# KiCad board output.Panel_R0.5.1_300x300_2layer_step1_Modified.kicad_pcb (continued)
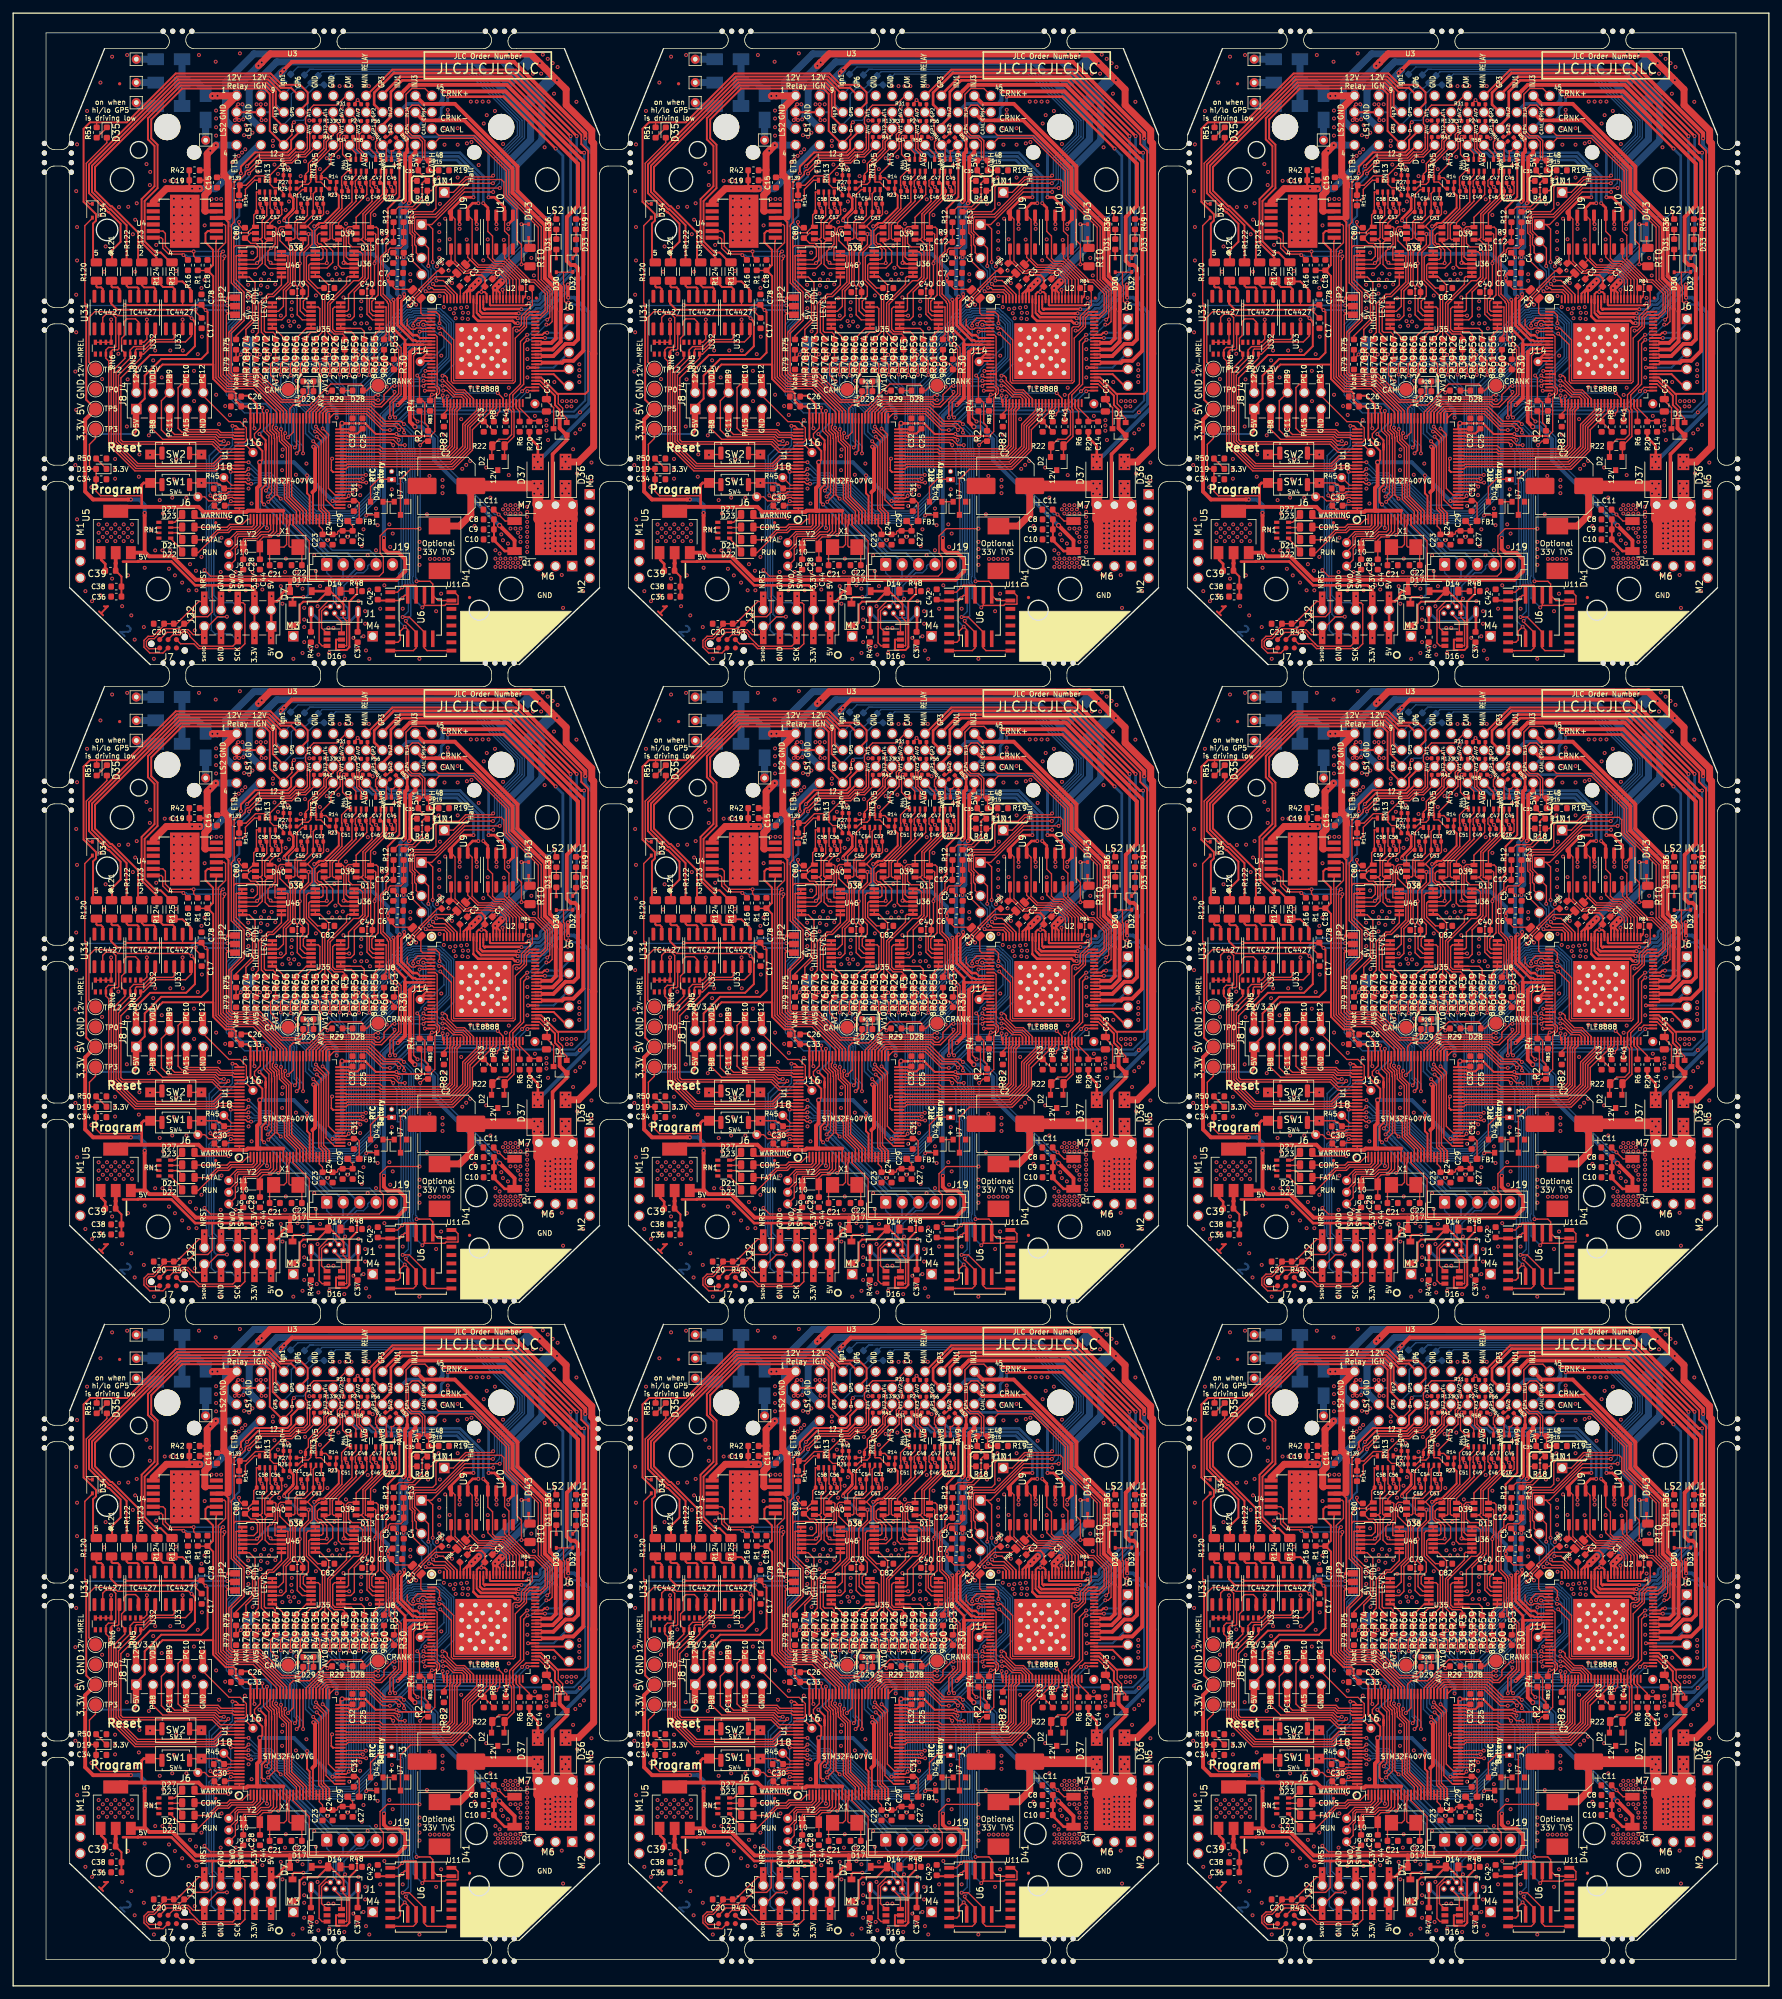
[diagram p0: board, top side]
## Routing (per net, layer and track width the routed paths; a pad name or vN(x,y) marks a point on that pad's centre or on a via; arc(x,y) is an arc through that point) (continued)
Net-(R32-Pad2): length 104.5
  Top w0.216: R32#2.2 132.4,256.9 132.98,257.48 132.98,258.65 131.7,259.93 U36#2.7 130.94,260.47 ; R32#3.2 217.4,256.9 217.98,257.48 217.98,258.65 216.7,259.93 U36#3.7 215.94,260.47 ; R32#4.2 47.4,159.9 47.98,160.48 47.98,161.65 46.7,162.93 U36#6.7 45.94,163.47 ; R32#6.2 132.4,159.9 132.98,160.48 132.98,161.65 131.7,162.93 U36#4.7 130.94,163.47 ; R32#5.2 217.4,159.9 217.98,160.48 217.98,161.65 216.7,162.93 U36#5.7 215.94,163.47 ; 215.94,66.47 U36#7.7 216.7,65.93 217.98,64.65 217.98,63.48 217.4,62.9 R32#7.2 ; 45.94,66.47 U36#9.7 46.7,65.93 47.98,64.65 47.98,63.48 47.4,62.9 R32#9.2 ; 130.94,66.47 U36#8.7 131.7,65.93 132.98,64.65 132.98,63.48 132.4,62.9 R32#8.2 ; 45.94,260.47 U36.7 46.7,259.93 47.98,258.65 47.98,257.48 47.4,256.9 R32.2
Net-(R35-Pad2): length 143.9
  Top w0.216: R35#2.2 132.03,251.52 132.03,256.9 129.59,259.35 129.59,262.89 129.88,263.18 U36#2.2 130.94,263.72 ; R35#3.2 217.03,251.52 217.03,256.9 214.59,259.35 214.59,262.89 214.88,263.18 U36#3.2 215.94,263.72 ; R35#4.2 47.03,154.52 47.03,159.9 44.59,162.35 44.59,165.89 44.88,166.18 U36#6.2 45.94,166.72 ; R35#6.2 132.03,154.52 132.03,159.9 129.59,162.35 129.59,165.89 129.88,166.18 U36#4.2 130.94,166.72 ; R35#5.2 217.03,154.52 217.03,159.9 214.59,162.35 214.59,165.89 214.88,166.18 U36#5.2 215.94,166.72 ; 215.94,69.72 U36#7.2 214.88,69.18 214.59,68.89 214.59,65.35 217.03,62.9 217.03,57.52 R35#7.2 ; 45.94,69.72 U36#9.2 44.88,69.18 44.59,68.89 44.59,65.35 47.03,62.9 47.03,57.52 R35#9.2 ; R35#8.2 132.03,57.52 132.03,62.9 129.59,65.35 129.59,68.89 129.88,69.18 U36#8.2 130.94,69.72 ; 45.94,263.72 U36.2 44.88,263.18 44.59,262.89 44.59,259.35 47.03,256.9 47.03,251.52 R35.2
Net-(R53-Pad2): length 60.2
  Top w0.216: R53#2.2 141.4,250.82 141.72,251.14 141.72,255.28 141.69,255.31 U8#2.6 U8#2.7 ; U8#3.7 U8#3.6 226.69,255.31 226.72,255.28 226.72,251.14 226.4,250.82 R53#3.2 ; R53#4.2 56.4,153.82 56.72,154.14 56.72,158.28 56.69,158.31 U8#6.6 U8#6.7 ; U8#5.7 U8#5.6 141.69,158.31 141.72,158.28 141.72,154.14 141.4,153.82 R53#6.2 ; R53#5.2 226.4,153.82 226.72,154.14 226.72,158.28 226.69,158.31 U8#4.6 U8#4.7 ; U8#7.7 U8#7.6 226.69,61.31 226.72,61.28 226.72,57.14 226.4,56.82 R53#7.2 ; U8#9.7 U8#9.6 56.69,61.31 56.72,61.28 56.72,57.14 56.4,56.82 R53#9.2 ; U8#8.7 U8#8.6 141.69,61.31 141.72,61.28 141.72,57.14 141.4,56.82 R53#8.2 ; R53.2 56.4,250.82 56.72,251.14 56.72,255.28 56.69,255.31 U8.6 U8.7
Net-(R55-Pad2): length 23.9
  Top w0.216: U8#2.2 U8#2.1 140.72,251.77 139.9,250.95 R55#2.2 ; U8#3.2 U8#3.1 225.72,251.77 224.9,250.95 R55#3.2 ; U8#6.2 U8#6.1 55.72,154.77 54.9,153.95 R55#4.2 ; U8#5.2 U8#5.1 140.72,154.77 139.9,153.95 R55#6.2 ; U8#4.2 U8#4.1 225.72,154.77 224.9,153.95 R55#5.2 ; U8#9.2 U8#9.1 55.72,57.77 54.9,56.95 R55#9.2 ; R55#8.2 139.9,56.95 140.72,57.77 U8#8.1 U8#8.2 ; U8#7.2 U8#7.1 225.72,57.77 224.9,56.95 R55#7.2 ; R55.2 54.9,250.95 55.72,251.77 U8.1 U8.2
Net-(R57-Pad2): length 56.7
  Top w0.216: 135.64,252.06 136.31,252.06 ; 135.64,252.06 U8#2.14 U8#2.13 ; 135.64,252.06 137.94,252.06 138.4,251.6 R57#2.2 ; 220.64,252.06 221.31,252.06 ; 220.64,252.06 U8#3.14 U8#3.13 ; 220.64,252.06 222.94,252.06 223.4,251.6 R57#3.2 ; 50.64,155.06 51.31,155.06 ; 50.64,155.06 U8#6.14 U8#6.13 ; 50.64,155.06 52.94,155.06 53.4,154.6 R57#4.2 ; 135.64,155.06 136.31,155.06 ; 135.64,155.06 U8#5.14 U8#5.13 ; 135.64,155.06 137.94,155.06 138.4,154.6 R57#6.2 ; 220.64,155.06 221.31,155.06 ; 220.64,155.06 U8#4.14 U8#4.13 ; 220.64,155.06 222.94,155.06 223.4,154.6 R57#5.2 ; R57#8.2 223.4,57.6 222.94,58.06 220.64,58.06 ; 220.64,58.06 U8#7.14 U8#7.13 ; 220.64,58.06 221.31,58.06 ; R57#7.2 53.4,57.6 52.94,58.06 50.64,58.06 ; U8#9.13 U8#9.14 50.64,58.06 ; 50.64,58.06 51.31,58.06 ; 135.64,58.06 136.31,58.06 ; 135.64,58.06 137.94,58.06 138.4,57.6 R57#9.2 ; 135.64,58.06 U8#8.14 U8#8.13 ; U8.13 U8.14 50.64,252.06 ; 50.64,252.06 52.94,252.06 53.4,251.6 R57.2 ; 50.64,252.06 51.31,252.06
Net-(R59-Pad2): length 88.6
  Top w0.216: 135.13,251.57 135.53,251.57 ; 135.13,251.57 136.43,251.57 136.9,251.1 R59#2.2 ; 135.13,251.57 133.97,251.57 133.6,251.94 133.6,255.03 133.88,255.31 U8#2.9 U8#2.8 ; U8#3.8 U8#3.9 218.88,255.31 218.6,255.03 218.6,251.94 218.97,251.57 220.13,251.57 ; 220.13,251.57 220.53,251.57 ; 220.13,251.57 221.43,251.57 221.9,251.1 R59#3.2 ; 50.13,154.57 50.53,154.57 ; 50.13,154.57 51.43,154.57 51.9,154.1 R59#4.2 ; 50.13,154.57 48.97,154.57 48.6,154.94 48.6,158.03 48.88,158.31 U8#6.9 U8#6.8 ; U8#5.8 U8#5.9 133.88,158.31 133.6,158.03 133.6,154.94 133.97,154.57 135.13,154.57 ; 135.13,154.57 135.53,154.57 ; 135.13,154.57 136.43,154.57 136.9,154.1 R59#6.2 ; U8#4.8 U8#4.9 218.88,158.31 218.6,158.03 218.6,154.94 218.97,154.57 220.13,154.57 ; 220.13,154.57 220.53,154.57 ; 220.13,154.57 221.43,154.57 221.9,154.1 R59#5.2 ; 220.13,57.57 221.43,57.57 221.9,57.1 R59#7.2 ; 220.13,57.57 220.53,57.57 ; 220.13,57.57 218.97,57.57 218.6,57.94 218.6,61.03 218.88,61.31 U8#7.9 U8#7.8 ; 50.13,57.57 51.43,57.57 51.9,57.1 R59#9.2 ; 50.13,57.57 48.97,57.57 48.6,57.94 48.6,61.03 48.88,61.31 U8#9.9 U8#9.8 ; 50.13,57.57 50.53,57.57 ; U8#8.8 U8#8.9 133.88,61.31 133.6,61.03 133.6,57.94 133.97,57.57 135.13,57.57 ; R59#8.2 136.9,57.1 136.43,57.57 135.13,57.57 ; 135.13,57.57 135.53,57.57 ; 50.13,251.57 50.53,251.57 ; 50.13,251.57 51.43,251.57 51.9,251.1 R59.2 ; 50.13,251.57 48.97,251.57 48.6,251.94 48.6,255.03 48.88,255.31 U8.9 U8.8
Net-(R64-Pad2): length 73.6
  Top w0.216: R64#2.2 129.4,250.56 130.29,251.45 131.12,251.45 131.65,251.98 131.65,255.05 131.39,255.31 U35#2.6 U35#2.7 ; U35#3.7 U35#3.6 216.39,255.31 216.65,255.05 216.65,251.98 216.12,251.45 215.29,251.45 214.4,250.56 R64#3.2 ; R64#4.2 44.4,153.56 45.29,154.45 46.12,154.45 46.65,154.98 46.65,158.05 46.39,158.31 U35#4.6 U35#4.7 ; U35#6.7 U35#6.6 131.39,158.31 131.65,158.05 131.65,154.98 131.12,154.45 130.29,154.45 129.4,153.56 R64#6.2 ; U35#5.7 U35#5.6 216.39,158.31 216.65,158.05 216.65,154.98 216.12,154.45 215.29,154.45 214.4,153.56 R64#5.2 ; R64#8.2 214.4,56.56 215.29,57.45 216.12,57.45 216.65,57.98 216.65,61.05 216.39,61.31 U35#8.6 U35#8.7 ; R64#7.2 44.4,56.56 45.29,57.45 46.12,57.45 46.65,57.98 46.65,61.05 46.39,61.31 U35#7.6 U35#7.7 ; U35#9.7 U35#9.6 131.39,61.31 131.65,61.05 131.65,57.98 131.12,57.45 130.29,57.45 129.4,56.56 R64#9.2 ; R64.2 44.4,250.56 45.29,251.45 46.12,251.45 46.65,251.98 46.65,255.05 46.39,255.31 U35.6 U35.7
Net-(R65-Pad2): length 33.7
  Top w0.216: U35#2.2 U35#2.1 129.57,252.06 R65#2.2 ; U35#3.2 U35#3.1 214.57,252.06 R65#3.2 ; U35#4.2 U35#4.1 44.57,155.06 R65#4.2 ; U35#6.2 U35#6.1 129.57,155.06 R65#6.2 ; U35#5.2 U35#5.1 214.57,155.06 R65#5.2 ; R65#7.2 214.57,58.06 U35#8.1 U35#8.2 ; R65#9.2 44.57,58.06 U35#7.1 U35#7.2 ; U35#9.2 U35#9.1 129.57,58.06 R65#8.2 ; R65.2 44.57,252.06 U35.1 U35.2
Net-(R66-Pad2): length 30
  Top w0.216: U35#2.13 U35#2.14 124.73,252.06 R66#2.2 ; R66#3.2 209.73,252.06 U35#3.14 U35#3.13 ; U35#4.13 U35#4.14 39.73,155.06 R66#4.2 ; R66#6.2 124.73,155.06 U35#6.14 U35#6.13 ; R66#5.2 209.73,155.06 U35#5.14 U35#5.13 ; U35#8.13 U35#8.14 209.73,58.06 R66#7.2 ; R66#9.2 39.73,58.06 U35#7.14 U35#7.13 ; U35#9.13 U35#9.14 124.73,58.06 R66#8.2 ; U35.13 U35.14 39.73,252.06 R66.2
Net-(R67-Pad2): length 71.8
  Top w0.216: U35#2.8 U35#2.9 123.51,255.31 123.2,255 123.2,251.65 123.4,251.45 124.55,251.45 124.85,251.15 124.85,250.44 R67#2.2 ; U35#3.8 U35#3.9 208.51,255.31 208.2,255 208.2,251.65 208.4,251.45 209.55,251.45 209.85,251.15 209.85,250.44 R67#3.2 ; U35#4.8 U35#4.9 38.51,158.31 38.2,158 38.2,154.65 38.4,154.45 39.55,154.45 39.85,154.15 39.85,153.44 R67#4.2 ; U35#6.8 U35#6.9 123.51,158.31 123.2,158 123.2,154.65 123.4,154.45 124.55,154.45 124.85,154.15 124.85,153.44 R67#6.2 ; U35#5.8 U35#5.9 208.51,158.31 208.2,158 208.2,154.65 208.4,154.45 209.55,154.45 209.85,154.15 209.85,153.44 R67#5.2 ; R67#7.2 39.85,56.44 39.85,57.15 39.55,57.45 38.4,57.45 38.2,57.65 38.2,61 38.51,61.31 U35#7.9 U35#7.8 ; U35#9.8 U35#9.9 123.51,61.31 123.2,61 123.2,57.65 123.4,57.45 124.55,57.45 124.85,57.15 124.85,56.44 R67#9.2 ; U35#8.8 U35#8.9 208.51,61.31 208.2,61 208.2,57.65 208.4,57.45 209.55,57.45 209.85,57.15 209.85,56.44 R67#8.2 ; R67.2 39.85,250.44 39.85,251.15 39.55,251.45 38.4,251.45 38.2,251.65 38.2,255 38.51,255.31 U35.9 U35.8
Net-(R72-Pad2): length 150.1
  Top w0.216: U46.14 U46.13 41.74,263.12 41.79,263.08 41.79,259.09 39.6,256.9 38.93,256.9 37.75,255.72 37.75,251.47 38.4,250.82 R72.2 ; U46#2.14 U46#2.13 126.74,263.12 126.79,263.08 126.79,259.09 124.6,256.9 123.93,256.9 122.75,255.72 122.75,251.47 123.4,250.82 R72#2.2 ; U46#3.14 U46#3.13 211.74,263.12 211.79,263.08 211.79,259.09 209.6,256.9 208.93,256.9 207.75,255.72 207.75,251.47 208.4,250.82 R72#3.2 ; U46#6.14 U46#6.13 41.74,166.12 41.79,166.08 41.79,162.09 39.6,159.9 38.93,159.9 37.75,158.72 37.75,154.47 38.4,153.82 R72#4.2 ; U46#4.14 U46#4.13 126.74,166.12 126.79,166.08 126.79,162.09 124.6,159.9 123.93,159.9 122.75,158.72 122.75,154.47 123.4,153.82 R72#6.2 ; U46#5.14 U46#5.13 211.74,166.12 211.79,166.08 211.79,162.09 209.6,159.9 208.93,159.9 207.75,158.72 207.75,154.47 208.4,153.82 R72#5.2 ; R72#7.2 208.4,56.82 207.75,57.48 207.75,61.72 208.93,62.9 209.6,62.9 211.79,65.09 211.79,69.08 211.74,69.12 U46#7.13 U46#7.14 ; U46#9.14 U46#9.13 41.74,69.12 41.79,69.08 41.79,65.09 39.6,62.9 38.93,62.9 37.75,61.72 37.75,57.48 38.4,56.82 R72#9.2 ; U46#8.14 U46#8.13 126.74,69.12 126.79,69.08 126.79,65.09 124.6,62.9 123.93,62.9 122.75,61.72 122.75,57.48 123.4,56.82 R72#8.2
Net-(R73-Pad2): length 109.1
  Top w0.216: U46.9 U46.8 40.8,258.68 39.39,257.27 38.77,257.27 37.3,255.8 37.3,251.45 36.9,251.05 R73.2 ; U46#2.9 U46#2.8 125.8,258.68 124.39,257.27 123.77,257.27 122.3,255.8 122.3,251.45 121.9,251.05 R73#2.2 ; U46#3.9 U46#3.8 210.8,258.68 209.39,257.27 208.77,257.27 207.3,255.8 207.3,251.45 206.9,251.05 R73#3.2 ; U46#6.9 U46#6.8 40.8,161.68 39.39,160.27 38.77,160.27 37.3,158.8 37.3,154.45 36.9,154.05 R73#4.2 ; U46#4.9 U46#4.8 125.8,161.68 124.39,160.27 123.77,160.27 122.3,158.8 122.3,154.45 121.9,154.05 R73#6.2 ; U46#5.9 U46#5.8 210.8,161.68 209.39,160.27 208.77,160.27 207.3,158.8 207.3,154.45 206.9,154.05 R73#5.2 ; U46#7.9 U46#7.8 210.8,64.68 209.39,63.27 208.77,63.27 207.3,61.8 207.3,57.45 206.9,57.05 R73#7.2 ; U46#9.9 U46#9.8 40.8,64.68 39.39,63.27 38.77,63.27 37.3,61.8 37.3,57.45 36.9,57.05 R73#9.2 ; U46#8.9 U46#8.8 125.8,64.68 124.39,63.27 123.77,63.27 122.3,61.8 122.3,57.45 121.9,57.05 R73#8.2
Net-(R74-Pad2): length 109.2
  Top w0.216: 119.78,260.52 119.9,260.4 U46#2.7 120.93,259.87 121.78,259.02 121.78,253.28 120.4,251.9 R74#2.2 ; R74#3.2 205.4,251.9 206.78,253.28 206.78,259.02 205.93,259.87 U46#3.7 204.9,260.4 204.78,260.52 ; 34.78,163.52 34.9,163.4 U46#6.7 35.93,162.87 36.78,162.02 36.78,156.28 35.4,154.9 R74#4.2 ; R74#6.2 120.4,154.9 121.78,156.28 121.78,162.02 120.93,162.87 U46#4.7 119.9,163.4 119.78,163.52 ; 204.78,163.52 204.9,163.4 U46#5.7 205.93,162.87 206.78,162.02 206.78,156.28 205.4,154.9 R74#5.2 ; R74#8.2 205.4,57.9 206.78,59.28 206.78,65.02 205.93,65.87 U46#7.7 204.9,66.4 204.78,66.52 ; 34.78,66.52 34.9,66.4 U46#9.7 35.93,65.87 36.78,65.02 36.78,59.28 35.4,57.9 R74#7.2 ; 119.78,66.52 119.9,66.4 U46#8.7 120.93,65.87 121.78,65.02 121.78,59.28 120.4,57.9 R74#9.2 ; R74.2 35.4,251.9 36.78,253.28 36.78,259.02 35.93,259.87 U46.7 34.9,260.4 34.78,260.52
Net-(R75-Pad2): length 147.8
  Top w0.216: 34.78,263.77 34.78,263.12 ; R75#2.2 118.9,250.93 121.41,253.44 121.41,256.95 118.92,259.44 118.92,263.08 118.96,263.12 U46#2.2 ; 119.78,263.77 119.78,263.12 ; 204.78,263.77 204.78,263.12 ; U46#3.2 203.96,263.12 203.92,263.08 203.92,259.44 206.41,256.95 206.41,253.44 203.9,250.93 R75#3.2 ; R75#4.2 33.9,153.93 36.41,156.44 36.41,159.95 33.92,162.44 33.92,166.08 33.96,166.12 U46#6.2 ; 34.78,166.77 34.78,166.12 ; 119.78,166.77 119.78,166.12 ; U46#4.2 118.96,166.12 118.92,166.08 118.92,162.44 121.41,159.95 121.41,156.44 118.9,153.93 R75#6.2 ; 204.78,166.77 204.78,166.12 ; U46#5.2 203.96,166.12 203.92,166.08 203.92,162.44 206.41,159.95 206.41,156.44 203.9,153.93 R75#5.2 ; U46#7.2 203.96,69.12 203.92,69.08 203.92,65.44 206.41,62.95 206.41,59.44 203.9,56.93 R75#7.2 ; 204.78,69.77 204.78,69.12 ; R75#9.2 33.9,56.93 36.41,59.44 36.41,62.95 33.92,65.44 33.92,69.08 33.96,69.12 U46#9.2 ; 34.78,69.77 34.78,69.12 ; 119.78,69.77 119.78,69.12 ; R75#8.2 118.9,56.93 121.41,59.44 121.41,62.95 118.92,65.44 118.92,69.08 118.96,69.12 U46#8.2 ; U46.2 33.96,263.12 33.92,263.08 33.92,259.44 36.41,256.95 36.41,253.44 33.9,250.93 R75.2
Net-(R120-Pad2): length 28.8
  Top w0.305: 98.52,256.94 U31#2.7 98.63,258.04 98.37,258.3 97.8,258.3 97.66,258.44 R120#2.2 ; 183.52,256.94 U31#3.7 183.63,258.04 183.37,258.3 182.8,258.3 182.66,258.44 R120#3.2 ; 183.52,159.94 U31#5.7 183.63,161.04 183.37,161.3 182.8,161.3 182.66,161.44 R120#4.2 ; 98.52,159.94 U31#6.7 98.63,161.04 98.37,161.3 97.8,161.3 97.66,161.44 R120#5.2 ; 13.52,159.94 U31#4.7 13.63,161.04 13.37,161.3 12.8,161.3 12.66,161.44 R120#6.2 ; 98.52,62.94 U31#8.7 98.63,64.04 98.37,64.3 97.8,64.3 97.66,64.44 R120#8.2 ; 13.52,62.94 U31#9.7 13.63,64.04 13.37,64.3 12.8,64.3 12.66,64.44 R120#9.2 ; 183.52,62.94 U31#7.7 183.63,64.04 183.37,64.3 182.8,64.3 182.66,64.44 R120#7.2 ; R120.2 12.66,258.44 12.8,258.3 13.37,258.3 13.63,258.04 U31.7 13.52,256.94
Net-(R121-Pad2): length 30
  Top w0.305: U31#2.5 101.17,258.03 100.9,258.3 100.1,258.3 99.96,258.44 R121#2.2 ; U31#3.5 186.17,258.03 185.9,258.3 185.1,258.3 184.96,258.44 R121#3.2 ; U31#5.5 186.17,161.03 185.9,161.3 185.1,161.3 184.96,161.44 R121#4.2 ; U31#6.5 101.17,161.03 100.9,161.3 100.1,161.3 99.96,161.44 R121#5.2 ; U31#4.5 16.17,161.03 15.9,161.3 15.1,161.3 14.96,161.44 R121#6.2 ; U31#8.5 101.17,64.03 100.9,64.3 100.1,64.3 99.96,64.44 R121#8.2 ; U31#9.5 16.17,64.03 15.9,64.3 15.1,64.3 14.96,64.44 R121#9.2 ; U31#7.5 186.17,64.03 185.9,64.3 185.1,64.3 184.96,64.44 R121#7.2 ; U31.5 16.17,258.03 15.9,258.3 15.1,258.3 14.96,258.44 R121.2
Net-(R122-Pad2): length 35.3
  Top w0.305: R122#2.2 102.26,258.54 102.5,258.3 103.9,258.3 104.06,258.14 U32#2.7 ; U32#3.7 189.06,258.14 188.9,258.3 187.5,258.3 187.26,258.54 R122#3.2 ; U32#4.7 189.06,161.14 188.9,161.3 187.5,161.3 187.26,161.54 R122#4.2 ; U32#5.7 104.06,161.14 103.9,161.3 102.5,161.3 102.26,161.54 R122#5.2 ; R122#6.2 17.26,161.54 17.5,161.3 18.9,161.3 19.06,161.14 U32#6.7 ; U32#8.7 104.06,64.14 103.9,64.3 102.5,64.3 102.26,64.54 R122#8.2 ; R122#9.2 17.26,64.54 17.5,64.3 18.9,64.3 19.06,64.14 U32#9.7 ; U32#7.7 189.06,64.14 188.9,64.3 187.5,64.3 187.26,64.54 R122#7.2 ; R122.2 17.26,258.54 17.5,258.3 18.9,258.3 19.06,258.14 U32.7
Net-(R123-Pad2): length 36.8
  Top w0.305: U32#2.5 106.6,258.1 106.4,258.3 104.9,258.3 104.56,258.64 R123#2.2 ; U32#3.5 191.6,258.1 191.4,258.3 189.9,258.3 189.56,258.64 R123#3.2 ; U32#4.5 191.6,161.1 191.4,161.3 189.9,161.3 189.56,161.64 R123#4.2 ; U32#5.5 106.6,161.1 106.4,161.3 104.9,161.3 104.56,161.64 R123#5.2 ; U32#6.5 21.6,161.1 21.4,161.3 19.9,161.3 19.56,161.64 R123#6.2 ; R123#8.2 104.56,64.64 104.9,64.3 106.4,64.3 106.6,64.1 U32#8.5 ; R123#9.2 19.56,64.64 19.9,64.3 21.4,64.3 21.6,64.1 U32#9.5 ; R123#7.2 189.56,64.64 189.9,64.3 191.4,64.3 191.6,64.1 U32#7.5 ; R123.2 19.56,258.64 19.9,258.3 21.4,258.3 21.6,258.1 U32.5
Net-(R124-Pad2): length 39.4
  Top w0.305: R124#2.2 107.81,258.35 109.25,258.35 109.6,258 109.5,257.9 U33#2.7 ; R124#3.2 192.81,258.35 194.25,258.35 194.6,258 194.5,257.9 U33#3.7 ; U33#4.7 194.5,160.9 194.6,161 194.25,161.35 192.81,161.35 R124#4.2 ; R124#6.2 22.81,161.35 24.25,161.35 24.6,161 24.5,160.9 U33#6.7 ; R124#5.2 107.81,161.35 109.25,161.35 109.6,161 109.5,160.9 U33#5.7 ; R124#9.2 22.81,64.35 24.25,64.35 24.6,64 24.5,63.9 U33#9.7 ; U33#8.7 109.5,63.9 109.6,64 109.25,64.35 107.81,64.35 R124#8.2 ; R124#7.2 192.81,64.35 194.25,64.35 194.6,64 194.5,63.9 U33#7.7 ; R124.2 22.81,258.35 24.25,258.35 24.6,258 24.5,257.9 U33.7
Net-(R125-Pad2): length 40.5
  Top w0.305: 112.1,256.93 112.09,256.94 U33#2.5 112,256.98 112,257.95 110.75,259.2 109.26,259.2 R125#2.2 ; 197.1,256.93 197.09,256.94 U33#3.5 197,256.98 197,257.95 195.75,259.2 194.26,259.2 R125#3.2 ; R125#4.2 194.26,162.2 195.75,162.2 197,160.95 197,159.98 U33#4.5 197.09,159.94 197.1,159.93 ; 27.1,159.93 27.09,159.94 U33#6.5 27,159.98 27,160.95 25.75,162.2 24.26,162.2 R125#6.2 ; 112.1,159.93 112.09,159.94 U33#5.5 112,159.98 112,160.95 110.75,162.2 109.26,162.2 R125#5.2 ; 27.1,62.93 27.09,62.94 U33#9.5 27,62.98 27,63.95 25.75,65.2 24.26,65.2 R125#9.2 ; R125#8.2 109.26,65.2 110.75,65.2 112,63.95 112,62.98 U33#8.5 112.09,62.94 112.1,62.93 ; 197.1,62.93 197.09,62.94 U33#7.5 197,62.98 197,63.95 195.75,65.2 194.26,65.2 R125#7.2 ; R125.2 24.26,259.2 25.75,259.2 27,257.95 27,256.98 U33.5 27.09,256.94 27.1,256.93
Net-(R139-Pad1): length 59.1
  Top w0.216: R139#2.1 120.42,273.82 121.86,275.25 123.23,275.25 123.27,275.21 RN13#2.3 ; R139#3.1 205.42,273.82 206.86,275.25 208.23,275.25 208.27,275.21 RN13#3.3 ; 208.27,177.59 208.27,178.21 208.23,178.25 206.86,178.25 205.42,176.82 R139#5.1 ; R139#4.1 35.42,176.82 36.86,178.25 38.23,178.25 38.27,178.21 38.27,177.59 ; R139#6.1 120.42,176.82 121.86,178.25 123.23,178.25 123.27,178.21 123.27,177.59 ; 38.27,80.59 38.27,81.21 38.23,81.25 36.86,81.25 35.42,79.82 R139#7.1 ; 123.27,80.59 123.27,81.21 123.23,81.25 121.86,81.25 120.42,79.82 R139#9.1 ; R139#8.1 205.42,79.82 206.86,81.25 208.23,81.25 208.27,81.21 208.27,80.59 ; R139.1 35.42,273.82 36.86,275.25 38.23,275.25 38.27,275.21 RN13.3
  Top w0.406: R141#2.1 119.35,273.69 R139#2.1 ; R141#3.1 204.35,273.69 R139#3.1 ; R141#5.1 204.35,176.69 R139#5.1 ; R141#4.1 34.36,176.69 R139#4.1 ; R141#6.1 119.35,176.69 R139#6.1 ; R141#8.1 34.36,79.69 R139#7.1 ; R141#9.1 119.35,79.69 R139#9.1 ; R141#7.1 204.35,79.69 R139#8.1 ; R139.1 34.36,273.69 R141.1

## Copper pours and planes (outline as drawn; the poured copper is in the pictures)
/12V_KEY on Bottom: 78.73,233.15 80.86,233.15 80.86,230.36 78.75,230.36
/12V_KEY on Bottom: 163.73,233.15 165.86,233.15 165.86,230.36 163.75,230.36
/12V_KEY on Bottom: 248.73,233.15 250.86,233.15 250.86,230.36 248.75,230.36
/12V_KEY on Bottom: 248.73,136.15 250.86,136.15 250.86,133.36 248.75,133.36
/12V_KEY on Bottom: 78.73,136.15 80.86,136.15 80.86,133.36 78.75,133.36
/12V_KEY on Bottom: 163.73,136.15 165.86,136.15 165.86,133.36 163.75,133.36
/12V_KEY on Bottom: 78.73,39.15 80.86,39.15 80.86,36.36 78.75,36.36
/12V_KEY on Bottom: 248.73,39.15 250.86,39.15 250.86,36.36 248.75,36.36
/12V_KEY on Bottom: 163.73,39.15 165.86,39.15 165.86,36.36 163.75,36.36
/12V_MREL on Bottom: 82.97,233.18 85.05,233.18 85.05,230.34 82.97,230.34
/12V_MREL on Bottom: 167.97,233.18 170.05,233.18 170.05,230.34 167.97,230.34
/12V_MREL on Bottom: 252.97,233.18 255.05,233.18 255.05,230.34 252.97,230.34
/12V_MREL on Bottom: 252.97,136.18 255.05,136.18 255.05,133.34 252.97,133.34
/12V_MREL on Bottom: 167.97,136.18 170.05,136.18 170.05,133.34 167.97,133.34
/12V_MREL on Bottom: 82.97,136.18 85.05,136.18 85.05,133.34 82.97,133.34
/12V_MREL on Bottom: 252.97,39.18 255.05,39.18 255.05,36.34 252.97,36.34
/12V_MREL on Bottom: 167.97,39.18 170.05,39.18 170.05,36.34 167.97,36.34
/12V_MREL on Bottom: 82.97,39.18 85.05,39.18 85.05,36.34 82.97,36.34
/12V_SAFE on Bottom: 77.51,217.05 85.97,217.05 85.97,229.22 77.56,229.22
/12V_SAFE on Bottom: 162.51,217.05 170.97,217.05 170.97,229.22 162.56,229.22
/12V_SAFE on Bottom: 247.51,217.05 255.97,217.05 255.97,229.22 247.56,229.22
/12V_SAFE on Bottom: 247.51,120.05 255.97,120.05 255.97,132.22 247.56,132.22
/12V_SAFE on Bottom: 162.51,120.05 170.97,120.05 170.97,132.22 162.56,132.22
/12V_SAFE on Bottom: 77.51,120.05 85.97,120.05 85.97,132.22 77.56,132.22
/12V_SAFE on Bottom: 77.51,23.05 85.97,23.05 85.97,35.22 77.56,35.22
/12V_SAFE on Bottom: 162.51,23.05 170.97,23.05 170.97,35.22 162.56,35.22
/12V_SAFE on Bottom: 247.51,23.05 255.97,23.05 255.97,35.22 247.56,35.22
/ADC/AGND on Top: 32.81,251.25 57.7,251.25 57.8,242.1 32.81,242
/ADC/AGND on Top: 117.81,251.25 142.7,251.25 142.8,242.1 117.81,242
/ADC/AGND on Top: 202.81,251.25 227.7,251.25 227.8,242.1 202.81,242
/ADC/AGND on Top: 202.81,154.25 227.7,154.25 227.8,145.1 202.81,145
/ADC/AGND on Top: 32.81,154.25 57.7,154.25 57.8,145.1 32.81,145
/ADC/AGND on Top: 117.81,154.25 142.7,154.25 142.8,145.1 117.81,145
/ADC/AGND on Top: 202.81,57.25 227.7,57.25 227.8,48.1 202.81,48
/ADC/AGND on Top: 117.81,57.25 142.7,57.25 142.8,48.1 117.81,48
/ADC/AGND on Top: 32.81,57.25 57.7,57.25 57.8,48.1 32.81,48
/VDD on Top: 12,225.5 19.2,225.5 19.2,216.1 12,216.1
/VDD on Top: 97,225.5 104.2,225.5 104.2,216.1 97,216.1
/VDD on Top: 182,225.5 189.2,225.5 189.2,216.1 182,216.1
/VDD on Top: 182,128.5 189.2,128.5 189.2,119.1 182,119.1
/VDD on Top: 97,128.5 104.2,128.5 104.2,119.1 97,119.1
/VDD on Top: 12,128.5 19.2,128.5 19.2,119.1 12,119.1
/VDD on Top: 97,31.5 104.2,31.5 104.2,22.1 97,22.1
/VDD on Top: 182,31.5 189.2,31.5 189.2,22.1 182,22.1
/VDD on Top: 12,31.5 19.2,31.5 19.2,22.1 12,22.1
/VDD on Bottom: 12,225.5 19.1,225.5 19.1,216.1 12.1,216.1
/VDD on Bottom: 97,225.5 104.1,225.5 104.1,216.1 97.1,216.1
/VDD on Bottom: 182,225.5 189.1,225.5 189.1,216.1 182.1,216.1
/VDD on Bottom: 12,128.5 19.1,128.5 19.1,119.1 12.1,119.1
/VDD on Bottom: 97,128.5 104.1,128.5 104.1,119.1 97.1,119.1
/VDD on Bottom: 182,128.5 189.1,128.5 189.1,119.1 182.1,119.1
/VDD on Bottom: 97,31.5 104.1,31.5 104.1,22.1 97.1,22.1
/VDD on Bottom: 12,31.5 19.1,31.5 19.1,22.1 12.1,22.1
/VDD on Bottom: 182,31.5 189.1,31.5 189.1,22.1 182.1,22.1
GND on Top: 90,200 8,200 8,295 90,295
GND on Top: 175,200 93,200 93,295 175,295
GND on Top: 260,200 178,200 178,295 260,295
GND on Top: 260,103 178,103 178,198 260,198
GND on Top: 90,103 8,103 8,198 90,198
GND on Top: 175,103 93,103 93,198 175,198
GND on Top: 90,6 8,6 8,101 90,101
GND on Top: 175,6 93,6 93,101 175,101
GND on Top: 260,6 178,6 178,101 260,101
GND on Bottom: 90,200 8,200 8,295 90,295
GND on Bottom: 175,200 93,200 93,295 175,295
GND on Bottom: 260,200 178,200 178,295 260,295
GND on Bottom: 175,103 93,103 93,198 175,198
GND on Bottom: 90,103 8,103 8,198 90,198
GND on Bottom: 260,103 178,103 178,198 260,198
GND on Bottom: 90,6 8,6 8,101 90,101
GND on Bottom: 175,6 93,6 93,101 175,101
GND on Bottom: 260,6 178,6 178,101 260,101

## Text on the board
Bottom: 2
B.SilkS: 12V-IGN Ignition / power use 1A fuse / 12V-Relay main relay / output use 5A fuse | GND | AV11 | IGN1 | IGN2 | IGN3 | IGN4 | Freewheel / diodes | R0.1 PCB DESIGN BY OLA RUUD / R0.2 PCB DESIGN BY DAECU / R0.3 PCB DESIGN BY DAECU / R0.4 PCB DESIGN BY DBECKER / R0.5 PCB DESIGN BY COMMUNITY | fire extinguisher / is required | microRusEfi / R0.5.1-2L | RUSEFI.COM | micro / rusEFI
Top: 1
F.Fab: MLCC | All
F.SilkS: 5 | TC4427 | on when / hi/lo GP5 / is driving low | 6 | 3.3V | 1 | 2 | 5V | 3 | 4 | RUN | COMS | FATAL | WARNING | STM32F407VG | + | TLE8888 | JLC Order Number | GND | 12V-MREL | AV4 | 9 | Hall | 12V | AV5 | V5 | AT1 | AT4 | AV1 | AV10 | 7 | 8 | Vbat | RTC / Battery | CAM | CRANK | HIGH-SIDE / LEVEL | Optional / 33V TVS | LS2 | INJ1 | Program | Reset | JLCJLCJLCJLC
